# Altium PCB board.PcbDoc (part 4 of 4)
Units mm, origin at the board's own origin, x right, y up, seen from the top; angles counter-clockwise.
Board outline 300 x 184 mm, 2 copper layers (Top Layer, Bottom Layer); 398 components, 261 nets, 1329 pads, 584 vias.
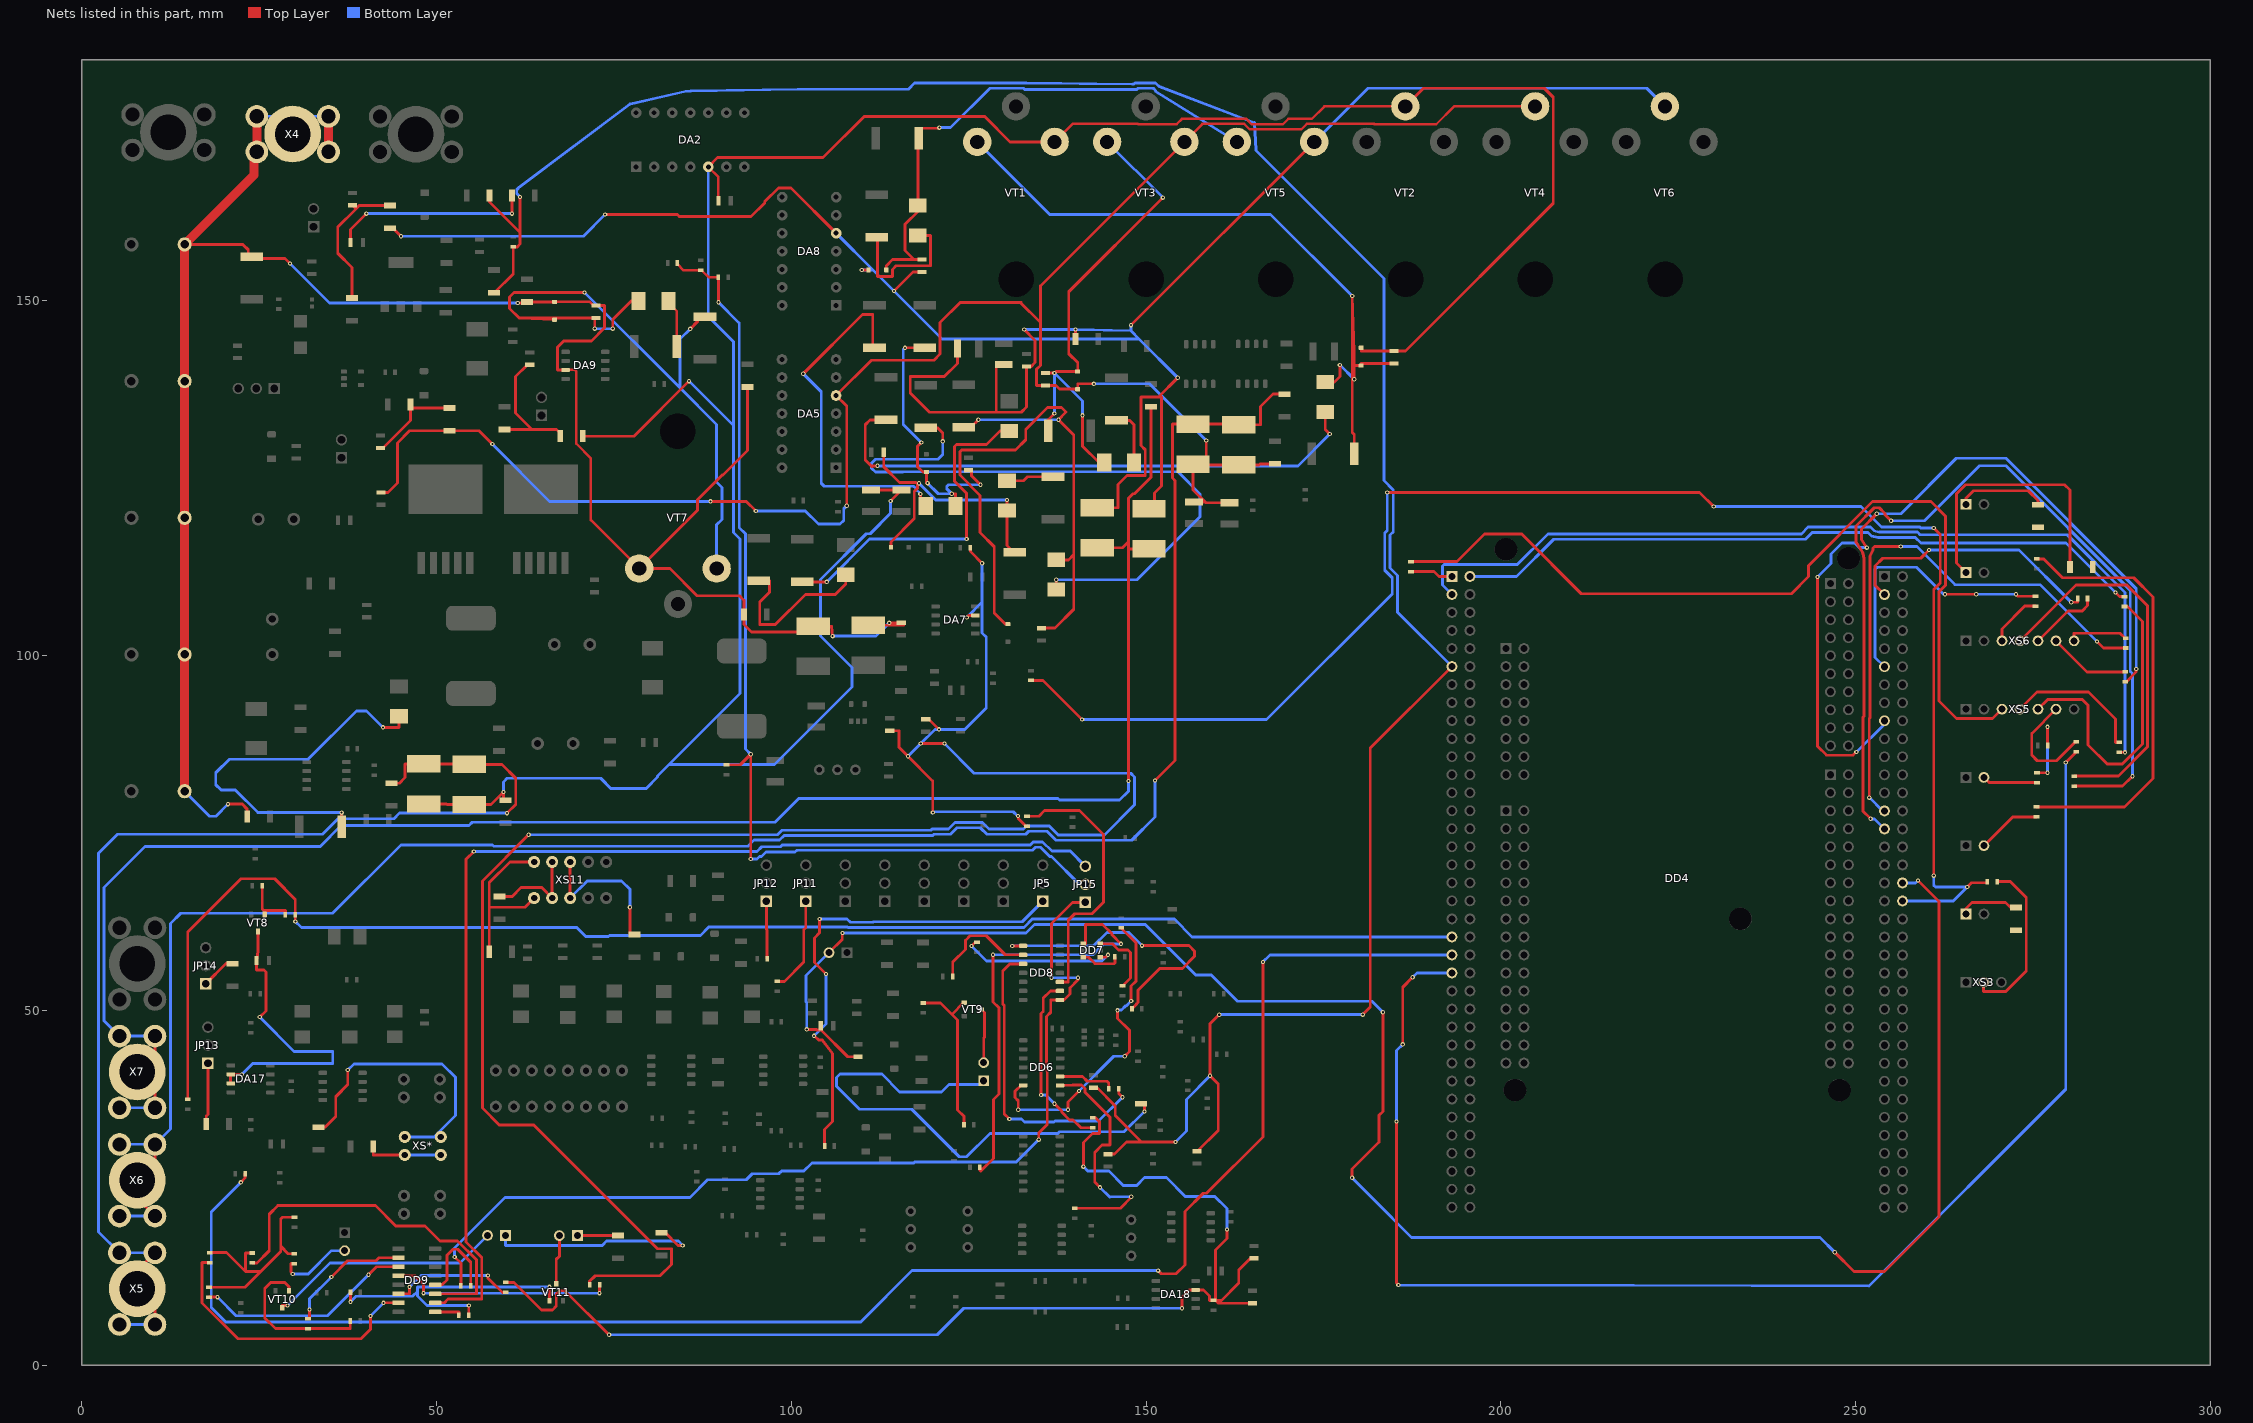
[diagram p4: the nets of this part, all layers, seen from the top]

## Via types
v1: diameter 0.6, hole 0.3, Top Layer to Bottom Layer, 584 vias

## Nets (pads, with @x,y where several pads share a name; then routed paths per layer and width w, separated by ;. In a path a pad name is that pad's centre, name@x,y a point inside that pad or via, vN(x,y) a via of type N, cw(c..) or ccw(c..) an arc to the next point about the centre after c; other vN are vias at no path point) (continued)
NetDD6_6: DD6.6 R155.2 | length 44.4
  Top Layer w0.4: v1(132,36) 132,37.275 131.55,37.725 131.55,38.605 132.38,39.435 DD6.6@132.7,39.435 ; v1(139,36) 139,37.096 v1(140.55,38.646) ; v1(146,50.013) 146,48.877 147.675,47.202 147.675,44.22 v1(147,43.545) ; R155.2@146.5,61.625 148.575,59.55 148.575,54.114 147.909,53.448 v1(147.909,51.336)
  Bottom Layer w0.4: v1(132,36) v1(139,36) ; v1(140.55,38.646) 145.449,43.545 v1(147,43.545) ; v1(146,50.013) 146.038,50.051 146.524,50.051 147.141,50.668 147.241,50.668 v1(147.909,51.336)
NetDD6_9: DD6.9 R160.1 | length 39.4
  Top Layer w0.4: DD6.9@137.9,39.435 139.632,39.496 140.902,39.496 141.4,38.998 141.4,38.478 141.54,38.339 144.925,34.953 ; R160.1@139.95,22.125 146.387,22.125 v1@147.961,23.699 ; 141.542,38.336 cw(c141.821,38.623) 141.54,38.339 144.925,34.953 ; v1(143.51,25.071) 142.773,25.807 142.773,29.998 143.815,31.04 144.925,31.04 144.925,34.953
  Bottom Layer w0.4: v1(143.51,25.071) 144.882,23.699 144.932,23.75 v1(147.925,23.75)
NetDD6_10: DD6.10 R162.1 | length 8
  Top Layer w0.4: DD6.10@137.9,40.705 141.042,40.705 141.722,40.025 144.497,40.025 144.75,39.772 R162.1@144.75,38.975
NetDD7_1: DD7.1 R153.1 | length 60.4
  Top Layer w0.4: R153.1@126.6,27.9 126.6,27.471 126.713,27.358 128.5,29.145 128.5,37.439 129.275,38.214 129.275,45.199 129.275,50.374 128.445,51.204 v1(128.445,57.85) ; DD7.1@141.15,59.4 141.466,59.4 141.466,62.116 143.887,62.116 145.164,60.839 145.164,60.698 v1(146.478,59.383)
  Bottom Layer w0.4: v1(128.445,57.85) 142.523,57.85 144.055,59.383 v1(146.478,59.383)
NetDD7_3: DD7.3 R157.1 | length 5.8
  Top Layer w0.4: DD7.3@141.15,57.5 141.884,57.5 142.791,56.593 145.535,56.593 145.625,56.683 R157.1@145.625,57.55
NetDD7_4: DD7.4 R158.2 | length 22.7
  Top Layer w0.4: v1(125.4,59.081) 125.918,59.6 R158.2@126.175,59.6 ; DD7.4@143.55,57.5 144.316,57.5 v1(144.653,57.837)
  Bottom Layer w0.4: v1(125.4,59.081) 127.518,56.963 143.779,56.963 v1(144.653,57.837)
NetDD7_6: DD7.6 R154.2 | length 10
  Top Layer w0.4: DD7.6@143.55,59.4 145.259,59.4 146.126,58.533 147.47,58.533 147.825,58.178 147.825,54.575 R154.2@146.7,53.45
NetDD8_1: DD8.1 R161.1 | length 42.9
  Top Layer w0.4: v1(131.15,59.1) 131.155,59.105 132.67,59.105 DD8.1@132.675,59.11 ; R161.1@148.025,50.25 148.025,50.4 148.075,50.45 148.225,50.45 148.625,50.85 148.625,50.878 148.85,51.103 148.85,52.847 151.928,55.925 155.127,55.925 156.85,57.648 156.85,58.352 156.07,59.132 v1(149.442,59.132)
  Bottom Layer w0.4: v1@131.118,59.11 142.624,59.11 144.514,61 147.574,61 v1(149.442,59.132)
NetDD8_2: DD8.2 R163.1 | length 15.3
  Top Layer w0.4: R163.1@122.775,54.775 122.775,56.838 124.55,58.612 124.55,59.882 125.197,60.529 127.486,60.529 130.175,57.84 DD8.2@132.675,57.84
NetDD8_3: DD8.3 R162.2 | length 43.5
  Top Layer w0.4: v1(130.747,34.697) 130.025,35.42 130.025,45.509 130.025,50.685 129.825,50.885 129.825,55.585 130.81,56.57 DD8.3@132.675,56.57 ; R162.2@146.15,38.975 146.15,38.306 v1(146.685,37.771)
  Bottom Layer w0.4: v1(130.747,34.697) 132.441,34.697 132.863,34.275 137.043,34.275 137.168,34.4 143.314,34.4 v1(146.685,37.771)
NetDD8_9: DD8.9 R165.1 | length 25.8
  Top Layer w0.4: v1(135.225,38.1) 135.216,38.109 135.216,49.568 135.522,49.875 135.522,51.732 136.55,52.76 DD8.9@137.875,52.76 ; v1(137.109,36.85) 138.129,35.83 138.129,35.669 139.226,34.572 139.727,34.572 140.824,33.475 R165.1@142.475,33.475
  Bottom Layer w0.4: v1@135.216,38.076 135.884,38.076 v1(137.109,36.85)
NetDD8_10: DD8.10 R166.1 | length 37.9
  Top Layer w0.4: R166.1@133.225,77.375 134.907,77.375 135.689,78.157 140.614,78.157 144,74.771 144,65.257 142.371,63.628 139.966,63.628 139.04,62.701 139.04,54.03 DD8.10@137.875,54.03
NetDD9_3: DD9.3 R172.1 | length 30.7
  Top Layer w0.4: R172.1@17.95,9.6 v1(19.152,9.6) ; v1(40.423,12.752) 41.551,13.88 DD9.3@44.665,13.88
  Bottom Layer w0.4: v1(19.152,9.6) 21.774,6.978 34.649,6.978 v1(40.423,12.752)
NetDD9_4: DD9.4 R170.1 | length 31.3
  Top Layer w0.4: DD9.4@44.665,12.61 47.001,12.61 48.184,11.427 v1(48.184,10.161) ; v1(73,10.161) R170.1@73,11.325
  Bottom Layer w0.4: v1(48.184,10.161) v1(73,10.161)
NetDD9_6: DD9.6 R173.1 | length 18
  Top Layer w0.4: DD9.6@44.665,10.07 46.203,10.07 v1(46.203,11.05) ; v1(57.252,12.665) 57.252,12.32 59.297,10.275 R173.1@59.8,10.275
  Bottom Layer w0.4: v1(46.203,11.05) 47.818,12.665 v1(57.252,12.665)
NetDD9_7: DD9.7 R176.1 | length 39.7
  Top Layer w0.4: R176.1@18.075,14.475 16.993,14.475 16.993,8.789 22.047,3.735 39.37,3.735 40.716,5.081 v1(40.716,6.961) ; v1(42.556,8.8) DD9.7@44.665,8.8
  Bottom Layer w0.4: v1(40.716,6.961) v1(42.556,8.8)
NetDD9_11: DD9.11 R180.1 | length 51.7
  Top Layer w0.4: R180.1@24.075,14.425 24.736,14.425 26.441,16.13 26.441,21.286 27.661,22.505 41.402,22.505 44.272,19.635 48.412,19.635 50.521,17.527 52.984,17.527 55.651,14.86 55.651,10.07 DD9.11@49.835,10.07
NetDD9_12: DD9.12 R179.1 | length 13.2
  Top Layer w0.4: DD9.12@49.835,11.34 50.8,11.34 51.486,12.026 51.486,15.495 52.349,16.359 53.01,16.359 54.85,14.518 R179.1@54.85,11.225
NetHL1_C: HL1.C R61.1 | length 28.1
  Top Layer w0.4: R61.1@37.9,158.225 37.9,160.05 v1(40.132,162.282) ; v1(60.65,162.282) HL1.C@60.65,164.85
  Bottom Layer w0.4: v1(40.132,162.282) v1(60.65,162.282)
NetJP5_1: JP5.1 R75.2 | length 68.3
  Top Layer w0.4: v1(103.226,46.425) 103.28,46.425 103.887,45.819 104.379,45.819 105.816,43.934 105.816,34.341 104.7,33.224 R75.2@104.7,30.9 ; v1(104.013,62.891) 104.013,60.946 103.271,60.204 103.271,56.77 v1(104.9,55.141)
  Bottom Layer w0.4: v1@103.227,46.425 104.9,48.098 v1(104.9,55.141) ; v1(104.013,62.891) 107.876,62.891 108.342,62.425 111.52,62.425 111.594,62.498 132.553,62.498 JP5.1@135.45,65.395
NetJP11_1: JP11.1 R80.2 | length 13.5
  Top Layer w0.4: R80.2@98.05,54.1 99.06,54.1 101.771,56.811 101.771,61.411 102.064,61.704 JP11.1@102.064,65.395
NetJP12_1: JP12.1 R85.2 | length 8.1
  Top Layer w0.4: JP12.1@96.5,65.395 96.5,61.391 96.6,61.291 R85.2@96.6,57.3
NetJP13_1: JP13.1 R109.2 | length 8.6
  Top Layer w0.4: R109.2@17.575,34.025 17.575,35.121 17.8,35.346 JP13.1@17.8,42.56
NetJP14_1: JP14.1 R110.2 | length 4.9
  Top Layer w0.4: JP14.1@17.5,53.76 20.34,56.6 R110.2@21.25,56.6
NetR3_1: R3.1 VD1.A | length 24.1
  Top Layer w0.4: R3.1@95.425,110.575 96.952,110.575 96.952,108.942 95.58,107.57 95.58,104.37 97.765,104.37 102.01,108.615 106.205,108.615 107.7,110.11 VD1.A@107.7,111.4
NetR4_1: R4.1 R5.1 VD2.C VD3.A VT1.G | length 108.7
  Top Layer w0.4: VD3.A@175.25,138.55 176.547,138.55 177.317,139.32 v1(177.317,140.971) ; R4.1@179.35,128.45 179.35,131.164 179.07,131.444 v1(179.07,150.674) 179.35,142.724 179.35,140.875 ; v1(179.35,138.938) 179.35,140.875 ; R5.1@184.95,141.175 180.325,141.175 VD2.C@180.325,140.875 179.35,140.875
  Bottom Layer w0.4: VT1.G@126.225,172.4 136.445,162.18 167.564,162.18 v1(179.07,150.674) ; v1(177.317,140.971) v1(179.35,138.938)
NetR6_1: R6.1 VD3.C | length 79.3
  Top Layer w0.4: v1(112.175,126.75) 112.137,126.712 111.494,126.712 111.391,126.608 110.439,127.56 110.439,132.539 111.125,133.225 R6.1@113.35,133.225 ; VD3.C@175.25,134.35 175.25,131.853 v1(175.885,131.218)
  Bottom Layer w0.4: v1@112.202,126.735 171.402,126.735 v1(175.885,131.218)
NetR9_1: R9.1 R11.1 VD4.C VD5.A | length 97.3
  Top Layer w0.4: R9.1@124.325,132.2 125.324,132.2 v1(126.373,133.249) ; VD4.C@130.525,104.45 130.175,104.45 128.617,106.009 128.617,115.347 126.627,117.336 126.627,122.584 123.774,125.437 123.774,128.728 124.037,128.991 131.606,128.991 133.045,130.43 133.045,131.878 136.13,134.963 138.113,134.963 138.748,134.329 v1(137.668,133.249) 139.827,131.09 139.827,114.262 ; R11.1@135.275,103.875 137.16,103.875 139.827,106.542 139.827,114.262 ; VD5.A@137.35,113.5 139.065,113.5 139.827,114.262
  Bottom Layer w0.4: v1(126.373,133.249) v1(137.668,133.249)
NetR12_1: R12.1 VD5.C | length 93.4
  Top Layer w0.4: R12.1@118.95,132.1 120.65,132.1 121.361,131.389 v1(121.361,130.201) ; VD5.C@137.35,109.3 v1(137.35,110.694)
  Bottom Layer w0.4: v1(121.361,130.201) 121.361,128.346 120.689,127.674 111.896,127.674 111.325,127.102 111.325,126.398 111.865,125.858 115.762,125.858 115.805,125.902 154.49,125.902 157.607,122.785 157.607,119.569 148.732,110.694 v1(137.35,110.694)
NetR14_1: R14.1 VD6.A | length 55
  Top Layer w0.4: R14.1@36.65,75.875 v1(36.65,77.877) ; v1(42.469,89.892) 44.725,89.892 VD6.A@44.725,91.45
  Bottom Layer w0.4: v1(36.65,77.877) 24.842,77.877 21.667,81.052 19.685,81.052 18.923,81.814 18.923,83.491 20.828,85.396 31.928,85.396 38.735,92.203 40.157,92.203 v1(42.469,89.892)
NetR16_1: R16.1 R17.1 VD7.C VD8.A VT3.G | length 70.7
  Top Layer w0.4: R17.1@135.85,139.825 v1(137.084,139.825) 137.309,140.05 VD7.C@140.375,140.05 140.375,141.287 139.116,142.546 139.116,151.282 v1(152.375,164.54) ; R16.1@136.2,131.7 136.2,133.229 v1(137.084,134.113) ; v1(141.046,133.859) 141.046,129.511 143.358,127.2 VD8.A@144.125,127.2
  Bottom Layer w0.4: v1(137.084,134.113) v1(137.084,139.825) 141.046,135.863 v1(141.046,133.859) ; VT3.G@144.515,172.4 v1(152.375,164.54)
NetR18_1: R18.1 VD8.C | length 8.1
  Top Layer w0.4: R18.1@145.85,133.15 147.701,133.15 148.325,132.526 VD8.C@148.325,127.2
NetR20_1: R20.1 R22.1 VD9.C VD10.A | length 39.8
  Top Layer w0.4: R22.1@113.05,128.65 113.05,126.62 115.285,124.385 117.602,124.385 v1@117.856,124.131 ; VD9.C@114.075,115.275 114.075,116.032 117.35,119.307 117.35,123.127 117.818,123.595 117.818,124.093 v1@117.856,124.131 ; v1(118.026,124.301) v1@117.856,124.131 ; v1(130.425,121.946) VD10.A@130.425,120.45 130.425,115.519 131.369,114.575 R20.1@131.525,114.575
  Bottom Layer w0.4: v1(118.026,124.301) 120.381,121.946 v1(130.425,121.946)
NetR24_1: R24.1 VD10.C | length 6.7
  Top Layer w0.4: VD10.C@130.425,124.65 132.749,124.65 133.299,125.2 R24.1@136.9,125.2
NetR31_1: R31.1 VD11.A | length 48
  Top Layer w0.4: R31.1@101.575,110.4 v1(105.004,110.4) ; v1(124.725,116.435) 124.725,122.875 123.024,124.576 123.024,129.478 123.287,129.741 127.504,129.741 129.413,131.65 VD11.A@130.725,131.65
  Bottom Layer w0.4: v1(105.004,110.4) 111.038,116.435 v1(124.725,116.435)
NetR33_1: R33.1 R34.1 VD12.C VD13.A VT5.G | length 75.1
  Top Layer w0.4: VD12.C@113.4,154.35 113.4,154.925 114.3,155.825 117.302,155.825 ; R34.1@118.425,155.825 117.302,155.825 ; v1(120.875,174.4) 120.821,174.4 120.746,174.325 118.35,174.325 117.95,173.925 R33.1@117.95,172.925 117.85,172.825 VD13.A@117.85,163.425 117.85,162.606 116.027,160.783 116.027,157.1 117.302,155.825
  Bottom Layer w0.4: v1(120.875,174.4) 122.45,174.4 128,179.95 132.731,179.95 132.916,179.765 148.724,179.765 148.909,179.95 151.021,179.95 151.339,179.632 ; 151.319,179.561 VT5.G@162.805,172.4
NetR35_1: R35.1 VD13.C | length 20.3
  Top Layer w0.4: R35.1@112.075,158.925 112.141,158.925 112.141,153.442 114.275,153.442 114.275,154.433 114.783,154.941 119.634,154.941 119.634,159.225 VD13.C@117.85,159.225
NetR37_1: R37.1 R38.1 VD14.C VD15.A | length 39.5
  Top Layer w0.4: v1(116.054,143.375) R37.1@118.825,143.375 ; v1(118.339,130.024) 117.814,129.499 117.814,126.62 118.559,125.875 VD14.C@119.05,125.875 v1@119.05,124.302 ; v1(122.631,122.81) 123.175,122.81 VD15.A@123.175,121.075 ; R38.1@124.975,126.125 125.425,126.125 125.425,125.35 v1(126.695,124.08)
  Bottom Layer w0.4: v1(116.054,143.375) 115.799,143.12 115.799,132.564 v1(118.339,130.024) ; v1(119.227,124.302) 120.719,122.81 v1(122.631,122.81) 121.927,123.514 121.927,123.846 122.161,124.08 v1(126.695,124.08)
NetR39_1: R39.1 VD15.C | length 51.4
  Top Layer w0.4: v1(101.702,139.726) 110.045,148.069 111.492,148.069 111.492,143.375 R39.1@111.75,143.375 ; v1@118.237,122.812 v1(118.2,122.775) 118.2,121.85 VD15.C@118.975,121.075
  Bottom Layer w0.4: v1(101.702,139.726) 104.242,137.186 104.242,124.289 104.666,123.865 117.26,123.865 117.596,123.529 117.596,123.433 118.2,122.829 v1(118.2,122.775)
NetR40_1: R40.1 R43.1 VD16.A VD17.C VT7.G | length 99.6
  Top Layer w0.4: VD17.C@66.675,147.35 61.671,147.575 ; v1(70.891,151.182) 60.96,151.182 60.325,150.547 60.325,148.921 61.671,147.575 ; v1(72.325,146.075) 72.325,147.475 R43.1@72.425,147.575 ; R43.1@72.5,147.575 R43.1@72.425,147.575 ; v1(74.85,146.075) 74.85,147.355 77.47,149.975 VD16.A@78.5,149.975 ; v1(85.776,146.051) 86.843,147.118 86.843,147.75 R40.1@87.85,147.75 ; 61.671,147.575 R43.1@72.425,147.575
  Bottom Layer w0.4: v1(70.891,151.182) 84.328,137.745 ; v1(72.325,146.075) v1(74.85,146.075) ; v1(85.776,146.051) 84.328,144.603 84.328,137.745 ; VT7.G@89.5,112.275 89.5,118.445 90.25,119.195 90.25,123.702 89.5,124.452 89.5,132.573 84.328,137.745
NetR42_1: R42.1 VD16.C | length 6.9
  Top Layer w0.35: VD16.C@82.7,149.975 82.7,149.725 83.875,148.55 R42.1@83.875,143.55
NetR46_2: R46.2 R47.1 R48.1 | length 19.6
  Top Layer w0.4: R48.1@59.6,131.875 63.5,131.875 ; R47.1@63.15,140.975 62.8,140.975 61.175,139.35 61.175,134.2 63.5,131.875 ; R46.2@67.45,130.925 67.45,131.375 66.95,131.875 63.5,131.875
NetR52_2: R52.2 R53.1 R54.1 | length 13.9
  Top Layer w0.4: R53.1@42.124,129.275 42.474,129.275 46.35,133.151 R54.1@46.35,135.4 46.575,134.9 R52.2@51.825,134.9
NetR56_2: R56.2 R59.1 R60.1 | length 20.2
  Top Layer w0.4: R60.1@38.125,150.4 38.125,154.683 36.1,156.708 36.1,160.392 38.666,162.959 ; R59.1@38.175,163.45 38.666,162.959 ; R56.2@43.475,163.425 39.133,163.425 38.666,162.959
NetR62_2: R62.2 XS2.1 | length 8.5
  Top Layer w0.4: XS2.1@265.54,63.596 265.54,64.39 266.378,65.228 271.128,65.228 271.856,64.5 R62.2@272.625,64.5
NetR63_2: R63.2 XS1.2 | length 7.8
  Top Layer w0.4: XS1.2@268.08,82.839 268.819,82.1 R63.2@275.55,82.1
NetR64_2: R64.2 XS3.2 | length 23.9
  Top Layer w0.4: XS3.2@268.04,53.975 268.04,52.655 271.145,52.655 274.041,55.551 274.041,65.914 271.78,68.175 269.975,68.175 R64.2@269.975,68.15
NetR65_2: R65.2 XS4.1 | length 12.6
  Top Layer w0.4: XS4.1@265.54,121.325 265.54,122.175 266.607,123.242 274.32,123.242 275.717,121.845 275.717,121.275 R65.2@275.7,121.275
NetR66_2: R66.2 XS7.2 | length 9.1
  Top Layer w0.4: XS7.2@268.08,73.218 272.137,77.275 R66.2@275.475,77.275
NetR67_2: R67.2 XS8.1 | length 39.3
  Top Layer w0.4: XS8.1@265.54,111.704 264.211,113.033 264.211,122.81 265.481,124.08 279.451,124.08 280.2,123.331 R67.2@280.2,112.475
NetR93_2: R93.2 XS11.1 | length 24.1
  Top Layer w0.4: R93.2@57.45,58.275 57.45,64.542 ; XS11.1@63.77,65.845 62.467,64.542 57.45,64.542 ; XS11.1@63.77,70.925 60.367,70.925 57.45,68.008 57.45,64.542
NetR94_2: R94.2 XS11.2 | length 13.6
  Top Layer w0.4: R94.2@58.9,66.05 60.69,66.05 61.951,67.311 64.844,67.311 XS11.2@66.31,65.845 XS11.2@66.31,70.925
NetR95_2: R95.2 XS11.3 | length 22.1
  Top Layer w0.4: XS11.3@68.85,65.845 XS11.3@68.85,70.925 ; v1(77.267,64.542) 77.267,60.7 R95.2@77.95,60.7
  Bottom Layer w0.4: XS11.3@68.85,65.845 71.269,68.264 76.08,68.264 77.267,67.077 v1(77.267,64.542)
NetR99_2: R99.2 XS*.1 | length 10.7
  Top Layer w0.4: R99.2@41.1,30.8 41.1,29.635 XS*.1@45.55,29.635
  Bottom Layer w0.4: XS*.1@45.55,29.635 XS*.1@50.63,29.635
NetR100_1: R100.1 XS5.3 | length 124.4
  Top Layer w0.4: R100.1@187.35,113.25 193.801,113.25 197.676,117.125 202.939,117.125 211.339,108.725 240.964,108.725 243.369,111.129 243.369,112.669 252.4,121.7 260.603,121.7 262.671,119.632 262.671,109.923 261.75,109.002 261.75,93.597 264.211,91.136 269.295,91.136 XS5.3@270.62,92.461
NetR101_1: R101.1 XS5.4 | length 19.9
  Top Layer w0.4: XS5.4@273.16,92.461 275.569,94.87 282.829,94.87 286.639,91.06 286.639,87.775 R101.1@287.15,87.775
NetR102_1: R102.1 XS5.5 | length 44.2
  Top Layer w0.4: XS5.5@275.7,92.461 277.068,93.829 281.94,93.829 282.753,93.016 282.753,87.402 285.445,84.71 287.579,84.71 290.4,87.531 290.4,104.815 288.29,106.925 R102.1@287.875,106.925
NetR103_1: R103.1 XS5.6 | length 15.6
  Top Layer w0.4: XS5.6@278.24,92.461 274.828,89.049 274.828,85.955 275.59,85.193 278.292,85.193 280.949,87.85 R103.1@281.1,87.85
NetR105_2: R105.2 XS*.2 | length 41.3
  Top Layer w0.4: R105.2@33.375,33.55 34.29,33.55 35.814,35.074 35.814,37.847 37.516,39.549 v1(37.516,41.606)
  Bottom Layer w0.4: v1(37.516,41.606) 38.379,42.47 50.8,42.47 52.68,40.59 52.68,35.18 49.675,32.175 ; XS*.2@45.55,32.175 49.675,32.175 ; XS*.2@50.63,32.175 49.675,32.175
NetR115_1: R115.1 R117.2 VT8.1 | length 7.8
  Top Layer w0.4: R117.2@25.475,67.575 25.475,64.295 25.685,64.085 25.8,64.085 ; VT8.1@25.8,63.525 25.8,64.085 ; R115.1@28.725,63.475 28.725,64.085 25.8,64.085
NetR125_1: R125.1 XS6.3 | length 7.7
  Top Layer w0.4: XS6.3@270.62,102.082 270.62,103.76 273.835,106.975 R125.1@275.35,106.975
NetR126_1: R126.1 XS6.4 | length 54.4
  Top Layer w0.4: XS6.4@273.16,102.082 281.047,109.969 288.202,109.969 291.15,107.021 291.15,87.155 287.02,83.025 R126.1@280.825,83.025
NetR129_1: R129.1 XS6.5 | length 10
  Top Layer w0.4: XS6.5@275.7,102.082 279.93,106.312 281.94,106.312 282.675,107.047 R129.1@282.675,108.05
NetR132_1: R132.1 XS6.6 | length 11.6
  Top Layer w0.4: XS6.6@278.24,102.082 282.622,97.7 R132.1@287.975,97.7
NetR133_1: R133.1 XS6.7 | length 8.6
  Top Layer w0.4: XS6.7@280.78,102.082 280.78,103.15 287.259,103.15 287.934,102.475 R133.1@288.05,102.475
NetR164_2: R164.2 XS12.1 | length 75.6
  Top Layer w0.4: R164.2@149.325,36.875 149.784,36.875 v1(149.784,35.764)
  Bottom Layer w0.4: XS12.1@127.125,40.1 126.599,39.574 122.251,39.574 121.202,38.525 115.286,38.525 112.777,41.034 106.861,41.034 106.363,40.536 106.363,39.32 109.615,36.069 116.992,36.069 123.686,29.375 124.726,29.375 128.016,32.665 137.555,32.665 137.789,32.9 146.92,32.9 v1(149.784,35.764)
NetR167_1: R167.1 R168.2 VT9.1 | length 23.4
  Top Layer w0.4: R168.2@118.625,51.05 121.048,51.05 122.649,49.449 ; R167.1@124.35,33.875 124.35,35.087 123.456,35.981 123.456,48.642 122.649,49.449 ; VT9.1@124.4,51.1 124.3,51.1 122.649,49.449
NetR169_2: R169.2 XS13.1 | length 30.6
  Top Layer w0.4: R169.2@81.725,18.675 82.272,18.675 84.055,16.892 v1(84.709,16.892)
  Bottom Layer w0.4: XS13.1@59.75,18.3 59.75,16.892 73.379,16.892 73.989,17.501 84.1,17.501 v1(84.709,16.892)
NetR171_2: R171.2 XS14.1 | length 5.8
  Top Layer w0.4: XS14.1@69.875,18.275 69.9,18.3 R171.2@75.625,18.3
NetR174_1: R174.1 R177.2 VT10.1 | length 22.4
  Top Layer w0.4: VT10.1@29.225,10.5 29.225,11.06 28.633,11.652 26.67,11.652 25.825,10.807 25.825,6.68 27.33,5.175 R174.1@31.9,5.175 37.875,5.175 R177.2@37.875,6.25
NetR175_1: R175.1 R178.2 VT11.1 | length 42.4
  Top Layer w0.4: v1(37.9,8.942) R178.2@37.9,10.275 ; R175.1@54.575,7.05 v1(54.575,8.434) ; VT11.1@65.95,9.075 v1(65.95,11.05)
  Bottom Layer w0.4: v1(37.9,8.942) 38.687,9.729 46.634,9.729 47.32,10.415 ; v1(54.575,8.434) 48.666,8.434 47.32,9.78 47.32,10.415 ; v1(65.95,11.05) 47.32,11.05 47.32,10.415
NetR181_2: R181.2 XS15.2 | length 10.7
  Top Layer w0.4: v1(29.764,12.879) 29.515,13.128 29.515,14.325 R181.2@29.975,14.325
  Bottom Layer w0.4: v1(29.764,12.879) 31.956,12.879 35.227,16.15 XS15.2@37.075,16.15
NetVT9_D: VT9.3 XS12.2 | length 7.8
  Top Layer w0.4: VT9.3@126.8,50.15 127.254,49.696 127.254,46.231 127.125,46.102 XS12.2@127.125,42.64
NetVT10_D: VT10.3 XS13.2 | length 33.4
  Top Layer w0.4: VT10.3@28.275,8.1 28.275,8.434 v1(29.011,8.434)
  Bottom Layer w0.4: v1(29.011,8.434) 34.993,14.416 53.326,14.416 XS13.2@57.21,18.3
NetVT11_D: VT11.3 XS14.2 | length 7
  Top Layer w0.4: VT11.3@66.9,11.475 66.9,14.936 67.335,15.371 XS14.2@67.335,18.275
NRE/DE: DA17.2 DA17.3 R114.2 VT8.3 | length 43.9
  Top Layer w0.4: DA17.3@21.031,39.715 21.006,39.715 21.006,40.985 DA17.2@21.031,40.985 v1(22.583,40.985) ; VT8.3@24.85,61.125 24.85,58.294 R114.2@24.65,57.025 24.65,55.703 25.679,55.703 25.975,55.408 25.975,49.928 v1(25.121,49.074)
  Bottom Layer w0.4: v1(22.583,40.985) 24.118,42.521 35.408,42.521 35.408,44.209 35.382,44.234 29.96,44.234 v1(25.121,49.074)
OC_LED: DD9.2 R174.2 | length 18
  Top Layer w0.4: R174.2@31.9,6.575 32.131,6.575 v1(32.131,7.85) ; v1(35.204,12.447) 37.49,14.733 41.504,14.733 41.921,15.15 DD9.2@44.665,15.15
  Bottom Layer w0.4: v1(32.131,7.85) 32.131,9.374 v1(35.204,12.447)
OV_LED: DD9.9 R175.2 | length 3.8
  Top Layer w0.4: DD9.9@49.835,7.53 53.175,7.53 R175.2@53.175,7.05
OverCurr_SM: C23.2 DA7.7 R26.2 R27.1 R166.2 R170.2 | length 289.7
  Top Layer w0.4: v1(63.005,74.753) 56.49,68.238 56.49,36.247 58.866,33.871 63.729,33.871 81.175,16.425 83.134,16.425 83.134,14.225 81.531,12.622 72.39,12.622 71.6,11.832 R170.2@71.6,11.325 ; R27.1@113.875,89.425 115.189,89.425 115.189,87.098 v1(116.459,85.828) 119.938,82.348 119.938,77.934 v1(119.963,77.909) ; v1(118.262,87.631) v1(121.59,87.631) ; R26.2@118.95,91.025 119.423,91.025 v1(120.836,89.612) ; v1(124.739,105.384) 125.015,105.66 DA7.7@125.944,105.66 ; C23.2@125.25,115.225 125.25,114.679 v1(126.912,113.017) ; v1(131.95,77.4) 131.988,77.362 131.988,77.062 133.025,76.025 133.175,76.025 R166.2@133.225,75.975
  Bottom Layer w0.4: v1(63.005,74.753) 98.057,74.753 98.704,75.4 119.663,75.4 119.729,75.466 119.838,75.575 122.145,75.575 123.07,76.5 126.959,76.5 127.884,75.575 132.746,75.575 133.177,76.006 136.367,76.006 137.629,74.744 144.135,74.744 148.387,78.995 148.387,82.907 147.858,83.435 125.785,83.435 v1(121.59,87.631) ; v1(116.459,85.828) v1(118.262,87.631) 120.244,89.612 v1(120.836,89.612) 124.46,89.612 127.483,92.635 127.483,102.64 126.912,103.211 126.912,107.557 ; v1@119.873,77.818 v1(119.963,77.909) 120.054,78 131.296,78 131.896,77.4 v1(131.95,77.4) ; v1(124.739,105.384) 126.912,107.557 ; v1(126.912,113.017) 126.912,107.557
OverVoltage: C73.2 DA18.7 R120.2 R121.1 R165.2 R173.2 | length 171.3
  Top Layer w0.4: R173.2@59.8,11.675 60.96,11.675 64.836,7.799 66.345,7.799 66.904,8.358 66.904,10.009 67.386,10.491 68.148,10.491 v1(74.346,4.294) ; v1(141.173,27.992) 141.173,31.37 142.478,32.675 143.425,32.675 143.425,34.314 142.864,34.875 R165.2@142.475,34.875 ; v1(155.067,8.027) 155.067,9.602 156.075,10.61 DA18.7@156.994,10.61 158.09,10.61 158.928,9.772 158.928,9.15 C73.2@159.5,9.15 C73.2@159.817,9.15 ; v1(161.417,19.127) 161.417,17.857 159.817,16.257 C73.2@159.817,9.15 ; R120.2@165.025,8.75 160.217,8.75 C73.2@159.817,9.15 ; R121.1@165.225,15.075 164.735,15.075 163.075,13.415 163.075,11.608 160.617,9.15 C73.2@159.817,9.15
  Bottom Layer w0.4: v1(74.346,4.294) 120.578,4.294 124.311,8.027 v1(155.067,8.027) ; v1(141.173,27.992) 141.793,27.372 144.78,27.372 146.802,25.35 148.689,25.35 149.781,26.442 152.883,26.442 155.524,23.801 159.69,23.801 161.417,22.074 v1(161.417,19.127)
Power_GND: C7.1 C17.1 C28.1 C30.1 C41.2 C42.2 C43.2 C44.2 C45.2 DA9.3 R28.1 R43.2 R57.2 RS7.2 RS8.2 VD17.A VT7.S X4.1 | length 322.9
  Top Layer w0.35: VD17.A@66.675,149.85 71.625,149.85 72.15,149.325 R43.2@72.5,149.325 ; DA9.3@68.206,140.265 69.52,140.265 69.725,140.06 69.725,129.858 71.775,127.808 71.775,119.1 VT7.S@78.6,112.275
  Top Layer w0.4: C44.2@14.525,157.95 22.725,157.95 23.484,157.191 23.484,156.625 23.884,156.225 R57.2@24,156.225 24.247,155.978 28.672,155.978 v1(29.375,155.275) ; v1(20.625,79.071) 22.639,79.071 23.35,78.36 C17.1@23.35,77.35 ; v1(61.47,149.7) 62.625,149.7 C30.1@62.75,149.825 66.65,149.825 VD17.A@66.675,149.85 ; DA9.3@68.206,140.265 67.056,140.265 67.056,143.46 67.945,144.349 71.857,144.349 73.711,146.203 73.711,149.325 R43.2@72.5,149.325 ; C28.1@93.85,137.85 93.85,128.923 90.375,125.448 90.296,125.448 86.821,121.973 86.821,120.496 VT7.S@78.6,112.275 82.9,112.275 86.741,108.434 92.71,108.434 93.35,107.794 C7.1@93.35,105.775 93.35,104.395 94.417,103.328 100.94,103.328 101.761,104.15 RS7.2@103.125,104.15 105.664,104.15 v1(105.842,102.744) ; RS8.2@110.85,104.275 115.849,104.275 115.849,104.625 R28.1@115.5,104.625 v1(113.819,104.625)
  Top Layer w1.27: C45.2@14.525,80.9 C41.2@14.525,100.162 C42.2@14.525,119.425 C43.2@14.525,138.688 C44.2@14.525,157.95 24.331,167.756 24.331,170.631 X4.1@24.7,171 X4.1@24.7,176 ; X4.1@34.8,171 X4.1@34.8,176
  Bottom Layer w0.4: C45.2@14.525,80.9 18.05,77.375 18.929,77.375 v1(20.625,79.071) ; X4.1@24.7,176 27.25,176 X4.1@29.75,173.5 32.25,176 X4.1@34.8,176 ; v1(29.375,155.275) 34.95,149.7 v1(61.47,149.7) ; v1(105.842,102.744) 111.938,102.744 v1(113.819,104.625)
PWM_SD: JP15.2 R7.2 R19.2 R36.2 R119.1 | length 144.6
  Top Layer w0.35: R19.2@83.975,155.325 83.975,155.175 84.85,154.3 R36.2@87.25,154.3 87.4,154.3 88.4,153.3 R7.2@89.75,153.3
  Top Layer w0.4: v1(89.75,149.791) R7.2@89.75,153.3 ; R119.1@90.875,84.625 92.83,84.625 v1(94.3,86.095) v1(94.3,71.335)
  Bottom Layer w0.4: v1(89.75,149.791) 92.671,146.869 92.671,118.047 93.55,117.168 93.55,86.845 v1(94.3,86.095) ; v1(94.3,71.335) 95.185,71.335 95.55,71.7 95.816,71.7 96.431,72.315 100.553,72.315 100.813,72.575 133.989,72.575 134.42,73.006 135.124,73.006 136.43,71.7 136.677,71.7 140.602,67.775 JP15.2@141.45,67.775
RS485_RX: DD4.CN11_43 R97.2 | length 237.3
  Top Layer w0.4: v1(22.452,25.782) 23.05,26.38 R97.2@23.05,27 ; v1(151.714,13.336) 152.158,12.892 154.241,12.892 155.499,14.151 155.499,21.664 158.077,24.242 158.547,24.242 166.475,32.17 v1(166.475,56.825)
  Bottom Layer w0.4: v1(22.452,25.782) 18.288,21.618 18.288,8.129 20.32,6.097 109.81,6.097 117.049,13.336 v1(151.714,13.336) ; v1@166.388,56.737 167.476,57.825 DD4.CN11_43@193.105,57.825
RS485_TX: DD4.CN11_41 R104.2 R115.2 | length 212.2
  Top Layer w0.4: R104.2@14.95,37.475 14.961,37.475 14.961,61.037 22.479,68.556 27.229,68.556 30.125,65.66 R115.2@30.125,63.475 v1(30.125,62.545)
  Bottom Layer w0.4: v1(30.125,62.545) 30.998,61.672 69.774,61.672 71.044,60.402 74.244,60.402 74.417,60.575 87.202,60.575 88.383,61.756 107.95,61.756 108.031,61.675 132.791,61.675 132.864,61.748 133.981,62.866 153.993,62.866 156.494,60.365 DD4.CN11_41@193.105,60.365
SD_Trig: DD9.10 JP15.3 | length 159.4
  Top Layer w0.4: DD9.10@49.835,8.8 51.118,8.8 51.638,9.32 56.402,9.32 56.402,15.171 54.199,17.373 54.199,71.305 v1(55.285,72.391)
  Bottom Layer w0.4: v1(55.285,72.391) 95.18,72.391 95.854,73.065 98.491,73.065 98.75,73.325 100.502,73.325 133.678,73.325 134.109,73.756 135.435,73.756 136.741,72.45 139.315,72.45 JP15.3@141.45,70.315
SD_Trig_Inp: DD8.8 JP15.1 R179.2 | length 137.9
  Top Layer w0.4: v1(52.578,15.266) 53.45,14.394 R179.2@53.45,11.225 ; v1(134.888,31.798) 134.888,32.748 136.075,33.935 136.075,41.509 136,41.584 136,49.158 136.585,49.743 136.585,51.49 DD8.8@137.875,51.49 138.427,51.49 139.268,52.331 139.268,53.189 140.411,54.332 v1(140.411,54.611) ; v1(136.677,54.611) 136.677,62.249 139.663,65.235 JP15.1@141.45,65.235
  Bottom Layer w0.4: v1(52.578,15.266) 52.578,16.536 59.692,23.65 85.723,23.65 88.223,26.15 93.673,26.15 94.523,27 98.238,27 98.44,27.202 98.5,27.202 98.667,27.369 101.768,27.369 102.924,28.525 117.269,28.525 117.369,28.625 131.714,28.625 v1(134.888,31.798) ; v1(136.677,54.611) v1(140.411,54.611)
SPI3_CS: DD4.CN11_45 R103.2 | length 204.1
  Top Layer w0.4: v1(185.3,34.352) 185.3,11.629 185.562,11.367 v1(185.562,11.312) ; v1(186.175,45.225) 186.175,53.275 v1(187.575,54.675) ; v1(279.6,84.95) R103.2@281.1,86.45
  Bottom Layer w0.4: v1(185.3,34.352) 185.3,44.35 v1(186.175,45.225) ; v1@185.6,11.35 v1(185.562,11.312) 185.525,11.275 218.683,11.275 251.886,11.175 279.6,38.889 v1(279.6,84.95) ; v1@187.553,54.65 187.576,54.674 188.188,55.285 DD4.CN11_45@193.105,55.285
SPI3_MISO: DD4.CN11_2 R102.2 | length 98.5
  Top Layer w0.4: v1(286.607,108.891) 287.172,108.325 R102.2@287.875,108.325
  Bottom Layer w0.4: DD4.CN11_2@195.645,111.165 202.226,111.165 207.461,116.4 242.925,116.4 243.88,117.355 251.748,117.355 252.231,116.872 253.152,116.65 258.411,116.65 259.206,115.855 279.642,115.855 v1(286.607,108.891)
SPI3_MOSI: DD4.CN11_3 R101.2 | length 130.1
  Top Layer w0.4: R101.2@287.15,86.375 v1(287.95,86.375)
  Bottom Layer w0.4: DD4.CN11_3@193.105,108.625 191.77,109.96 191.77,112.591 192.004,112.825 202.325,112.825 206.65,117.15 242.352,117.15 243.307,118.105 252.087,118.105 252.578,117.615 253.312,117.4 258.721,117.4 259.077,117.044 279.809,117.044 287.95,108.904 v1(287.95,86.375)
SPI3_SCK: DD4.CN11_1 R100.2 | length 6
  Top Layer w0.4: R100.2@187.35,111.85 190.594,111.85 191.279,111.165 DD4.CN11_1@193.105,111.165
Temp_SM: C57.2 DD4.CN12_36 R74.1 XS9.2 | length 274.4
  Top Layer w0.4: v1(102.19,47.337) 103.522,47.337 103.609,47.25 C57.2@104.175,47.25 ; C57.2@104.175,47.85 C57.2@104.175,47.25 ; XS9.2@105.325,58.15 107.193,60.018 107.193,60.868 v1(107.231,60.906) ; R74.1@109.425,43.475 107.979,43.475 104.204,47.25 C57.2@104.175,47.25 ; v1(179.05,26.425) 179.05,27.639 182.85,31.439 182.85,35.225 183.375,35.75 v1(183.375,49.75) ; v1(247.058,15.92) 249.753,13.225 254.075,13.225 261.75,20.9 261.75,65.35 v1(258.775,68.325)
  Bottom Layer w0.4: v1(102.19,47.337) 102.19,51.116 102.102,51.203 102.102,54.927 XS9.2@105.325,58.15 ; v1@107.212,60.887 v1(107.231,60.906) 107.25,60.925 133.101,60.925 134.292,62.116 149.884,62.116 157,55 159.202,55 162.902,51.3 181.831,51.3 v1@183.375,49.756 ; v1(179.05,26.425) 182.1,23.375 182.1,23.337 187.412,18.025 244.953,18.025 v1(247.058,15.92) ; DD4.CN12_36@256.605,67.965 258.415,67.965 v1(258.775,68.325)
TFT_CS: DD4.CN12_17 R132.2 | length 113.2
  Top Layer w0.4: v1(244.638,111.086) 244.638,87.236 245.9,85.974 249.645,85.974 v1@250.096,86.425 ; v1(251.575,115.219) 250.807,116.413 250.807,117.832 v1(252.975,120) ; R132.2@287.975,96.3 288.125,96.3 289.512,97.687 289.512,98.087 v1(289.55,98.125)
  Bottom Layer w0.4: v1(244.638,111.086) 246.55,112.998 246.55,114.311 248.094,115.855 249.876,115.855 250.475,115.256 v1(251.575,115.219) ; v1(250.102,86.42) 250.145,86.42 254.065,90.34 DD4.CN12_17@254.065,90.825 ; v1(252.975,120) 256.375,120 264.184,127.809 271.166,127.809 289.55,109.425 v1(289.55,98.125)
TFT_D_C: DD4.CN12_27 R133.2 | length 79.9
  Top Layer w0.4: v1(251.911,79.989) 251.911,91.121 252,91.21 252,113.963 252.425,114.867 252.425,115.141 252.659,115.375 v1(256.35,115.375) ; v1(284,102) 284.925,101.075 R133.2@288.05,101.075
  Bottom Layer w0.4: v1(251.911,79.989) 251.965,79.989 253.828,78.125 DD4.CN12_27@254.065,78.125 ; v1(256.35,115.375) 257.375,115.375 258.625,115.375 264,110 276,110 v1(284,102)
TFT_MOSI: DD4.CN12_29 R126.2 | length 130.7
  Top Layer w0.4: v1(252.119,77.01) 252.1,77.029 251.061,78.068 251.061,91.331 251.192,91.463 251.192,113.636 251.092,114.131 ccw(c248.985,113.705) 250.725,114.968 250.057,115.976 250.057,116.065 250.057,118.284 252.623,120.85 253.327,120.85 254.144,120.033 254.144,119.856 v1(255,119) ; R126.2@280.825,81.625 287.625,81.625 v1(289,83)
  Bottom Layer w0.4: v1(252.119,77.01) 252.138,76.99 252.66,76.99 DD4.CN12_29@254.065,75.585 ; v1(255,119) 259.708,119 267.457,126.749 271.166,126.749 288.7,109.214 288.7,97.773 289,97.473 v1(289,83)
TFT_RES: DD4.CN12_3 R129.2 | length 37.6
  Top Layer w0.4: DD4.CN12_3@254.065,108.605 252.75,109.92 252.75,112.65 253.826,113.726 259.166,113.726 v1(260.321,114.881) ; v1(280.391,107.519) 281.275,107.519 R129.2@281.275,108.05
  Bottom Layer w0.4: v1(260.321,114.881) 273.029,114.881 v1(280.391,107.519)
TFT_SCK: DD4.CN12_11 R125.2 | length 38.7
  Top Layer w0.4: v1(262.6,108.65) v1(267,108.65) ; v1(272.604,108.65) 272.879,108.375 R125.2@275.35,108.375
  Bottom Layer w0.4: DD4.CN12_11@254.065,98.445 252.75,99.76 252.75,112.163 253.047,112.46 258.565,112.46 262.375,108.65 v1(262.6,108.65) ; v1(267,108.65) v1(272.604,108.65)
Trig_Res: C86.2 R172.2 R176.2 R180.2 R181.1 | length 33
  Top Layer w0.4: R172.2@17.95,11 23.052,11 25.262,13.21 ; R176.2@18.075,15.875 20.449,15.875 23.114,13.21 ; R180.2@24.075,15.825 23.114,15.825 23.114,13.21 ; R181.1@29.975,15.725 29.113,15.725 28.073,16.765 ; C86.2@30,20.85 28.317,20.85 28.073,20.607 28.073,16.765 ; 23.114,13.21 25.262,13.21 ; 25.262,13.21 28.073,16.022 28.073,16.765
U: C1.2 C2.1 C4.1 DA2.5 R1.2 R5.2 R46.1 RS1.1 RS2.1 VD2.A VT1.S VT2.D | length 411.2
  Top Layer w0.35: DA2.5@88.32,168.88 89.75,167.45 C4.1@89.75,164.1 ; VT1.S@137.125,172.4 139.65,174.925 148.869,174.925 148.919,174.875 154.319,174.875 155.069,175.625 164.141,175.625 164.891,174.875 169.301,174.875 170.051,175.625 173.359,175.625 175.134,177.4 VT2.D@186.545,177.4
  Top Layer w0.4: RS1.1@48.225,79.1 51.435,79.1 51.51,79.025 RS2.1@54.65,79.025 57.713,79.025 v1(59.461,80.773) 59.461,79.625 R1.2@59.75,79.625 ; R46.1@70.65,130.925 77.852,130.925 v1(85.605,138.678) ; DA2.5@88.32,168.88 89.621,170.181 104.496,170.181 110.29,175.976 127.269,175.976 130.845,172.4 VT1.S@137.125,172.4 ; C1.2@111.25,123.325 C2.1@115.55,123.325 v1(114.019,121.794) ; VD2.A@180.325,143.375 180.325,142.925 R5.2@184.95,142.925 186.561,142.925 207.391,163.755 207.391,178.69 206.121,179.96 189.105,179.96 VT2.D@186.545,177.4
  Bottom Layer w0.4: v1(59.461,80.773) 59.461,82.204 59.973,82.715 73.166,82.715 74.582,81.3 79.577,81.3 81.186,82.909 81.186,83.05 82.795,84.659 ; v1(85.605,138.678) 91.877,132.406 ; DA2.5@88.32,168.88 88.32,147.78 91.877,144.223 91.877,132.406 ; v1(114.019,121.794) 114.019,120.067 111.137,117.185 110.586,117.185 104.14,110.738 104.14,102.744 108.56,98.324 108.56,95.581 97.638,84.659 82.795,84.659 ; 82.795,84.659 92.8,94.664 92.8,116.418 91.877,117.342 91.877,132.406
U_Out: R2.2 RS1.2 RS2.2 X5.1 | length 165.7
  Top Layer w0.4: X5.1@10.35,5.75 10.35,8.3 X5.1@7.85,10.8 7.85,13.35 X5.1@10.35,15.85 ; R2.2@43.65,82.025 44.813,82.025 45.593,82.805 45.593,84.75 RS1.2@48.225,84.75 52.884,84.75 52.959,84.675 RS2.2@54.65,84.675 59.242,84.675 61.189,82.729 61.189,79.02 v1(59.969,77.801)
  Bottom Layer w0.4: X5.1@5.35,5.75 X5.1@10.35,5.75 ; X5.1@10.35,15.85 X5.1@5.35,15.85 2.413,18.787 2.413,72.162 5.08,74.829 33.96,74.829 36.144,77.014 44.018,77.014 44.806,77.801 v1(59.969,77.801)
USR_BTN1: C54.2 R63.1 | length 10.6
  Top Layer w0.4: R63.1@275.55,83.5 v1(277.05,83.5) ; C54.2@277.05,87.325 v1(277.05,89.968)
  Bottom Layer w0.4: v1(277.05,83.5) v1(277.05,89.968)
USR_BTN2: C56.2 R66.1 | length 62.3
  Top Layer w0.4: R66.1@275.475,78.675 287.881,78.675 291.9,82.694 291.9,108.262 289.188,110.974 279.156,110.974 276.504,113.625 C56.2@275.525,113.625
USR_LED1: R62.1
USR_LED2: R65.1
USR_LED3: R67.1
USR_POT: C55.2 DD4.CN12_38 R64.1 | length 223.6
  Top Layer w0.4: C55.2@133.8,96.5 135.5,96.5 v1(141,91) ; v1(184,123) 228,123 v1(230,121) ; v1(261,69) 261,109.313 261.921,110.234 261.921,117.079 v1(261,118) ; v1(265.735,67.413) 266.319,67.997 268.575,67.997 R64.1@268.575,68.15
  Bottom Layer w0.4: v1(141,91) 167,91 184.708,108.708 184.708,110.969 183.65,112.027 183.65,117.292 184,117.642 v1(184,123) ; v1(230,121) 250.773,121 253.623,118.15 259.032,118.15 259.182,118 v1(261,118) ; DD4.CN12_38@256.605,65.425 263.747,65.425 v1(265.735,67.413) 261.234,67.413 261,67.647 v1(261,69)
V: C11.2 C12.1 C13.1 DA5.5 R8.2 R17.2 R52.1 RS3.1 RS4.1 VD7.A VT3.S VT4.D | length 285.4
  Top Layer w0.35: 135.125,152.11 VT3.S@155.415,172.4 157.94,174.925 163.851,174.925 164.601,174.175 171.909,174.175 172.659,174.925 182.141,174.925 182.191,174.875 190.899,174.875 193.424,177.4 VT4.D@204.835,177.4
  Top Layer w0.4: C13.1@42.2,123 43.18,123 44.501,124.321 44.501,129.985 46.216,131.7 R52.1@51.825,131.7 56.007,131.7 v1(57.887,129.82) ; v1(88.646,121.743) 93.675,121.743 v1(95.021,120.397) ; v1(107.824,121.12) 107.824,135.156 DA5.5@106.325,136.655 111.301,141.631 120.117,141.631 120.98,142.495 120.98,146.94 123.815,149.775 132.29,149.775 135.125,146.94 ; 135.125,152.11 135.125,146.94 ; v1(142.646,138.304) 140.375,138.304 VD7.A@140.375,137.55 137.828,137.55 137.303,138.075 R17.2@135.85,138.075 134.572,138.075 134.572,140.347 135.125,140.9 135.125,146.94 ; C12.1@156.75,121.625 158.36,121.625 ; v1(158.496,130.304) 158.496,126.975 RS3.1@156.625,126.975 ; C11.2@161.75,121.55 158.435,121.55 158.36,121.625 ; R8.2@168.15,127.025 166.088,127.025 165.938,126.875 RS4.1@163.05,126.875 158.496,126.875 RS3.1@156.625,126.975 ; RS3.1@156.625,126.975 156.625,123.36 158.36,121.625
  Bottom Layer w0.4: v1(57.887,129.82) 65.964,121.743 v1(88.646,121.743) ; v1(95.021,120.397) 101.986,120.397 103.833,118.55 106.902,118.55 107.4,119.048 107.4,120.696 v1(107.824,121.12) ; v1(142.646,138.304) 150.496,138.304 v1(158.496,130.304)
V_DC_SM: C46.2 DD4.CN11_11 R55.2 R58.1 R127.1 R145.1 R156.1 | length 350.1
  Top Layer w0.4: R55.2@57.5,164.85 57.5,163.938 61.798,159.64 ; R58.1@58.15,151.15 58.217,151.15 60.825,153.758 C46.2@60.825,157.6 61.392,157.6 61.798,158.006 61.798,159.64 ; v1(61.798,164.618) 61.798,159.64 ; R156.1@142.6,39.125 143.098,39.125 145.675,36.547 145.675,35.18 149.383,31.472 ; R145.1@144.65,29.75 145.554,29.75 147.275,31.472 149.383,31.472 ; v1(154.153,31.472) 149.383,31.472 ; R127.1@157.175,30.175 157.245,30.175 160.172,33.102 160.172,39.65 v1(159.029,40.793) 159.029,48.134 160.295,49.4 v1(160.325,49.4) ; v1(180.548,49.407) 181.61,50.469 181.61,86.97 DD4.CN11_11@193.105,98.465
  Bottom Layer w0.4: v1(61.798,164.618) 61.798,164.673 61.33,165.141 61.33,165.658 61.544,165.873 cw(c61.827,165.59) 61.586,165.91 77.247,177.714 77.33,177.733 85.15,179.525 cw(c85.239,179.135) 85.239,179.535 85.657,179.535 ccw(c85.657,179.935) 85.698,179.537 85.829,179.551 cw(c85.87,179.153) 85.861,179.553 85.863,179.553 100.925,179.815 cw(c100.932,179.415) 100.932,179.815 116.514,179.815 117.399,180.7 132.948,180.7 cw(c132.948,180.3) 132.986,180.698 133.021,180.695 133.116,180.686 ccw(c133.155,181.084) 133.151,180.684 148.078,180.519 ccw(c148.082,180.919) 148.365,180.636 148.429,180.7 151.332,180.7 151.738,180.294 151.739,180.293 ccw(c152.021,180.577) 151.878,180.203 ; 151.878,180.203 165.272,175.114 165.506,171.197 183.54,153.163 183.54,124.662 184.85,123.352 184.85,117.431 184.4,116.981 184.4,112.337 185.458,111.279 185.458,106.112 DD4.CN11_11@193.105,98.465 ; v1(154.153,31.472) 155.702,33.021 155.702,37.466 v1(159.029,40.793) ; v1@160.302,49.407 v1(180.548,49.407)
V_Out: R10.2 RS3.2 RS4.2 X6.1 | length 277
  Top Layer w0.4: X6.1@10.35,21.017 7.85,23.517 X6.1@7.85,26.067 10.35,28.567 X6.1@10.35,31.117 ; v1(151.277,82.393) 154.102,85.218 154.102,124.643 153.725,125.02 153.725,132.625 RS3.2@156.625,132.625 161.825,132.625 161.925,132.525 RS4.2@163.05,132.525 166.116,132.525 166.116,135.093 167.873,136.85 R10.2@169.5,136.85
  Bottom Layer w0.4: X6.1@5.35,21.017 X6.1@10.35,21.017 ; X6.1@5.35,31.117 5.375,31.141 10.325,31.141 X6.1@10.35,31.117 12.522,33.289 12.522,62.256 13.97,63.704 35.382,63.704 45.003,73.325 57.935,73.325 58.119,73.141 93.906,73.141 94.768,74.003 98.368,74.003 99.015,74.65 119.973,74.65 120.148,74.825 122.456,74.825 123.381,75.75 126.648,75.75 127.573,74.825 133.057,74.825 133.488,75.256 136.056,75.256 137.318,73.994 147.989,73.994 151.277,77.282 v1(151.277,82.393)
W: C21.2 C22.1 C24.1 DA8.5 R13.2 R34.2 R56.1 RS5.1 RS6.1 VD12.A VT5.S VT6.D | length 337.5
  Top Layer w0.4: R56.1@43.475,160.225 43.891,160.225 v1(45.01,159.107) ; v1(73.787,162.155) 83.957,162.155 84.236,161.875 94.352,161.875 96.274,163.797 96.274,163.992 98.195,165.914 99.956,165.914 DA8.5@106.345,159.525 ; v1(109.945,154.35) VD12.A@110.9,154.35 ; v1(114.481,151.389) 117.168,154.075 R34.2@118.425,154.075 ; C22.1@123.425,143.275 123.425,141.174 121.571,139.32 116.789,139.32 116.789,137.009 119.507,134.291 128.905,134.291 ; C21.2@129.95,141 128.905,141 128.905,134.291 ; v1(132.842,145.949) 134.375,144.416 134.375,141.292 133.833,140.75 C24.1@133.175,140.75 133.172,140.75 133.172,135.053 132.41,134.291 128.905,134.291 ; R13.2@140.075,144.625 v1(140.075,145.949) ; RS5.1@143.15,120.85 146.05,120.85 146.05,124.105 147.32,125.375 149.885,125.375 149.885,129.008 149.301,129.592 149.301,136.45 151.765,136.45 ; v1(147.879,146.574) VT5.S@173.705,172.4 ; RS6.1@150.425,120.7 151.206,120.7 151.206,122.937 152.161,123.891 152.161,136.45 151.765,136.45 ; v1(154.483,139.168) 151.765,136.45
  Bottom Layer w0.4: v1(45.01,159.107) 70.739,159.107 v1(73.787,162.155) ; DA8.5@106.345,159.525 111.52,154.35 ; v1(109.945,154.35) 111.52,154.35 ; v1(132.842,145.949) v1(140.075,145.949) 147.879,145.772 ; v1(147.879,146.574) 147.879,145.772 ; v1(154.483,139.168) 149.034,144.617 ; VT5.S@173.705,172.4 181.265,179.96 220.565,179.96 VT6.D@223.125,177.4 ; 111.52,154.35 v1(114.481,151.389) 121.253,144.617 149.034,144.617 ; 147.879,145.772 149.034,144.617
W_Out: R15.2 RS5.2 RS6.2 X7.1 | length 257.5
  Top Layer w0.4: X7.1@10.35,36.283 10.35,38.833 X7.1@7.85,41.333 10.35,43.833 X7.1@10.35,46.383 ; RS5.2@143.15,115.2 146.685,115.2 147.523,116.038 ; v1(147.523,82.322) 147.523,115.05 ; RS6.2@150.425,115.05 147.523,115.05 ; R15.2@150.725,135.075 150.725,125.148 148.387,122.81 148.158,122.81 147.523,122.175 147.523,116.038 ; 147.523,115.05 147.523,116.038
  Bottom Layer w0.4: X7.1@5.35,36.283 X7.1@10.35,36.283 ; X7.1@10.35,46.383 10.326,46.407 5.374,46.407 X7.1@5.35,46.383 3.175,48.558 3.175,67.336 8.966,73.128 33.63,73.128 36.551,76.049 54.585,76.049 55.067,76.531 97.714,76.531 101.058,79.875 137.569,79.875 137.794,79.65 146.273,79.65 147.523,80.9 v1(147.523,82.322)
pads on no net: DA1.4 DA2.4 DA2.8 DA2.14 DA3.4 DA4.4 DA5.4 DA5.8 DA5.14 DA7.5 DA7.6 DA8.4 DA8.8 DA8.14 DA9.1 DA9.4 DA9.5 DA9.8 DA12.4 DA12.5 DA18.5 DA18.6 DA19.5 DA19.6 DA20.5 DA20.6 DD4. DD4.CN7_1 DD4.CN7_2 DD4.CN7_3 DD4.CN7_4 DD4.CN7_5 DD4.CN7_6 DD4.CN7_7 DD4.CN7_8 DD4.CN7_9 DD4.CN7_10 DD4.CN7_11 DD4.CN7_12 DD4.CN7_13 DD4.CN7_14 DD4.CN7_15 DD4.CN7_16 DD4.CN7_17 DD4.CN7_18 DD4.CN7_19 DD4.CN7_20 DD4.CN8_1 DD4.CN8_2 DD4.CN8_3 DD4.CN8_4 DD4.CN8_5 DD4.CN8_6 DD4.CN8_7 DD4.CN8_8 DD4.CN8_9 DD4.CN8_10 DD4.CN8_11 DD4.CN8_12 DD4.CN8_13 DD4.CN8_14 DD4.CN8_15 DD4.CN8_16 DD4.CN9_1 DD4.CN9_2 DD4.CN9_3 DD4.CN9_4 DD4.CN9_5 DD4.CN9_6 DD4.CN9_7 DD4.CN9_8 DD4.CN9_9 DD4.CN9_10 DD4.CN9_11 DD4.CN9_12 DD4.CN9_13 DD4.CN9_14 DD4.CN9_15 DD4.CN9_16 DD4.CN9_17 DD4.CN9_18 DD4.CN9_19 DD4.CN9_20 DD4.CN9_21 DD4.CN9_22 DD4.CN9_23 DD4.CN9_24 DD4.CN9_25 DD4.CN9_26 DD4.CN9_27 DD4.CN9_28 DD4.CN9_29 DD4.CN9_30 DD4.CN10_1 DD4.CN10_2 DD4.CN10_3 DD4.CN10_4 DD4.CN10_5 DD4.CN10_6 DD4.CN10_7 DD4.CN10_8 DD4.CN10_9 DD4.CN10_10 DD4.CN10_11 DD4.CN10_12 DD4.CN10_13 DD4.CN10_14 DD4.CN10_15 DD4.CN10_16 DD4.CN10_17 DD4.CN10_18 DD4.CN10_19 DD4.CN10_20 DD4.CN10_21 DD4.CN10_22 DD4.CN10_23 DD4.CN10_24 DD4.CN10_25 DD4.CN10_26 DD4.CN10_27 DD4.CN10_28 DD4.CN10_29 DD4.CN10_30 DD4.CN10_31 DD4.CN10_32 DD4.CN10_33 DD4.CN10_34 DD4.CN11_4 DD4.CN11_5 DD4.CN11_7 DD4.CN11_10 DD4.CN11_12 DD4.CN11_13 DD4.CN11_14 DD4.CN11_15 DD4.CN11_16 DD4.CN11_18 DD4.CN11_21 DD4.CN11_23 DD4.CN11_24 DD4.CN11_25 DD4.CN11_26 DD4.CN11_27 DD4.CN11_29 DD4.CN11_30 DD4.CN11_31 DD4.CN11_32 DD4.CN11_33 DD4.CN11_34 DD4.CN11_36 DD4.CN11_37 DD4.CN11_38 DD4.CN11_39 DD4.CN11_40 DD4.CN11_42 DD4.CN11_44 DD4.CN11_46 DD4.CN11_47 DD4.CN11_48 DD4.CN11_50 DD4.CN11_51 DD4.CN11_52 DD4.CN11_53 DD4.CN11_54 DD4.CN11_56 DD4.CN11_58 DD4.CN11_59 DD4.CN11_61 DD4.CN11_62 DD4.CN11_63 DD4.CN11_64 DD4.CN11_65 DD4.CN11_66 DD4.CN11_67 DD4.CN11_68 DD4.CN11_69 DD4.CN11_70 DD4.CN12_1 DD4.CN12_2 DD4.CN12_4 DD4.CN12_5 DD4.CN12_6 DD4.CN12_7 DD4.CN12_8 DD4.CN12_10 DD4.CN12_12 DD4.CN12_14 DD4.CN12_15 DD4.CN12_16 DD4.CN12_18 DD4.CN12_19 DD4.CN12_21 DD4.CN12_22 DD4.CN12_23 DD4.CN12_26 DD4.CN12_28 DD4.CN12_30 DD4.CN12_33 DD4.CN12_34 DD4.CN12_35 DD4.CN12_42 DD4.CN12_44 DD4.CN12_45 DD4.CN12_48 DD4.CN12_50 DD4.CN12_51 DD4.CN12_57 DD4.CN12_59 DD4.CN12_60 DD4.CN12_61 DD4.CN12_62 DD4.CN12_64 DD4.CN12_65 DD4.CN12_66 DD4.CN12_67 DD4.CN12_68 DD4.CN12_69 DD4.CN12_70 DD6.11 DD6.12 DD6.13 DD8.4 DD8.5 DD8.6 DD8.11 DD8.12 DD8.13 DD9.1 DD9.5 DD9.13 DD9.14 DD9.15 JP13.3 JP14.3 VT1.4 VT2.4 VT2.G VT3.4 VT4.4 VT4.G VT5.4 VT6.4 VT6.G VT7.4